# Altium PCB 智能马桶综合检测台_数据板V1.0.PcbDoc (part 5 of 8) (continued)
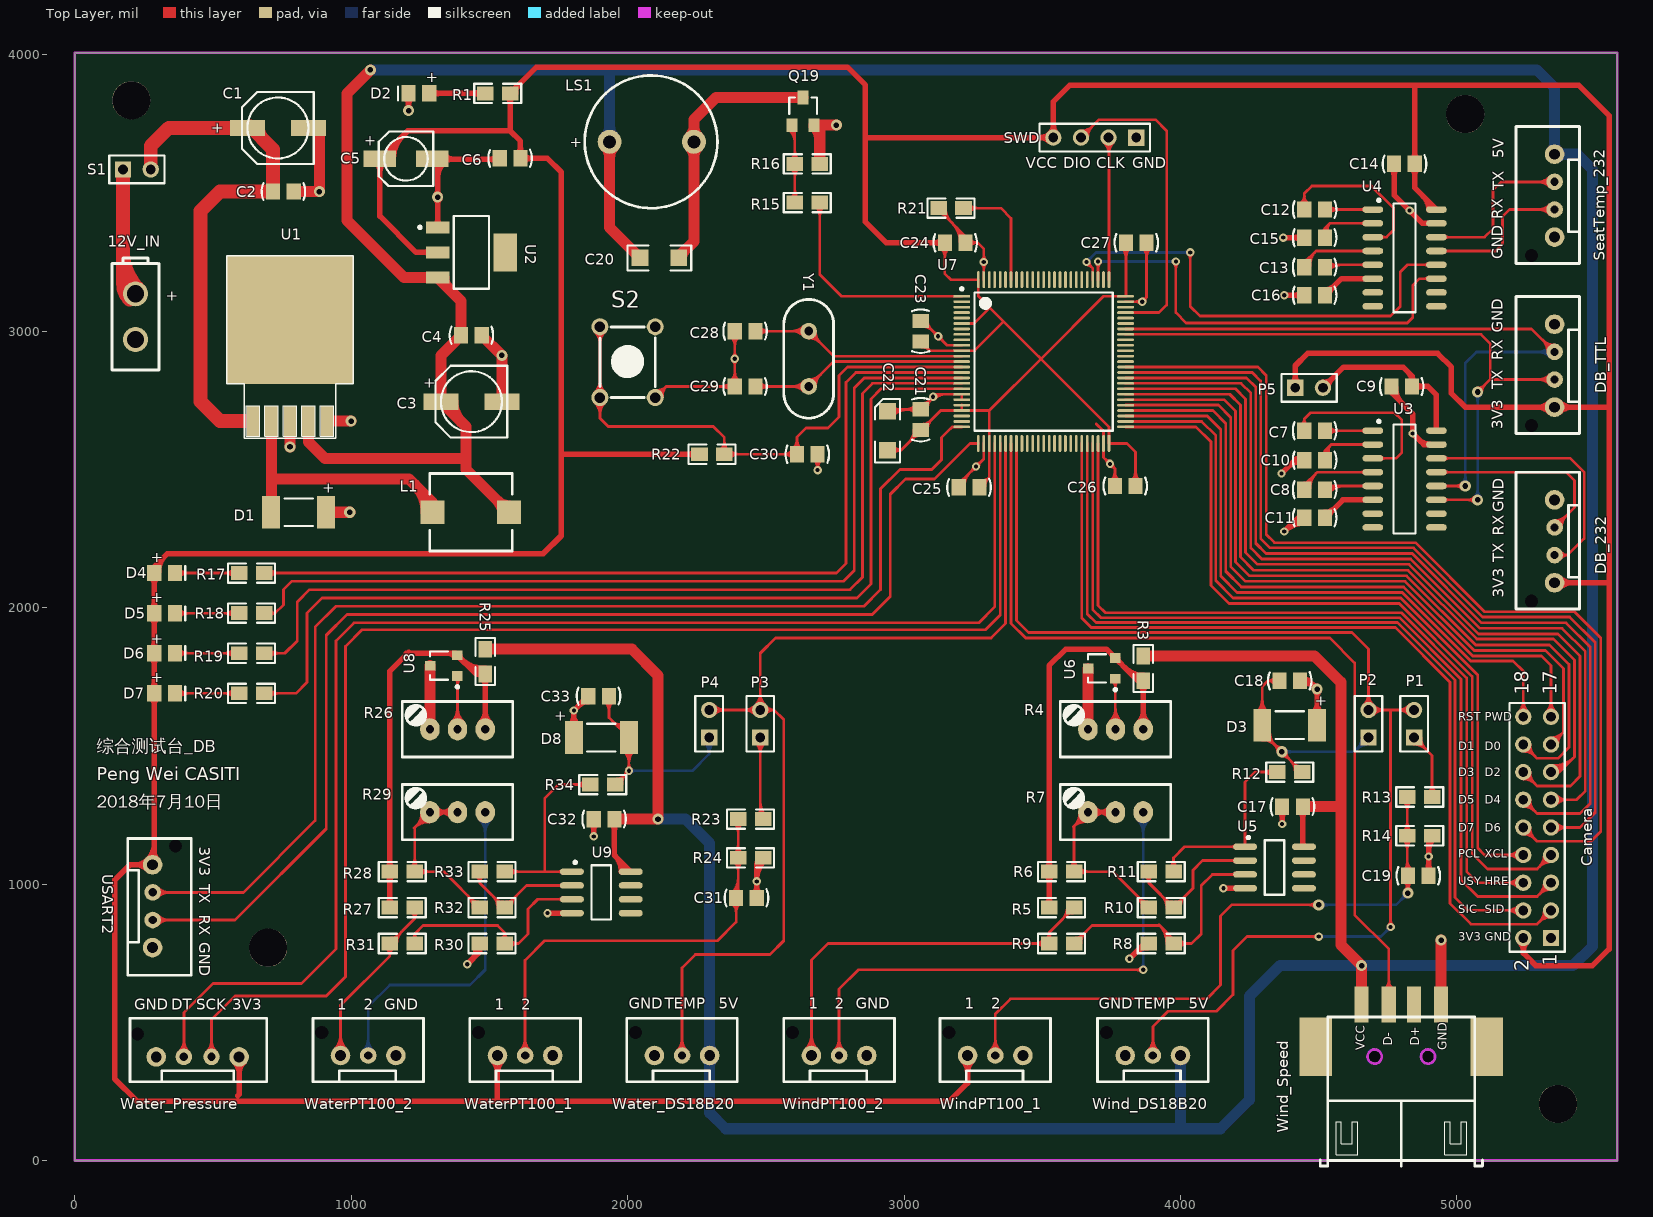
[diagram p0: Top Layer view]
## Nets (pads, with @x,y where several pads share a name; then routed paths per layer and width w, separated by ;. In a path a pad name is that pad's centre, name@x,y a point inside that pad or via, vN(x,y) a via of type N, cw(c..) or ccw(c..) an arc to the next point about the centre after c; other vN are vias at no path point) (continued)
NetR7_1: R7.1 WindPT100_2.2 | length 3965.9
  Top Layer w10: WindPT100_2.2@2765,380 2765,620 2835,690 v1(3865,690) ; WindPT100_2.2@2747.32,397.68 ccw(c2704.64,440.36) 2765,440.36 ; WindPT100_2.2@2747.32,397.68 ccw(c2704.64,440.36) 2765,440.36 ; WindPT100_2.2@2747.32,397.68 ccw(c2704.64,440.36) 2765,440.36 ; WindPT100_2.2@2747.32,397.68 ccw(c2704.64,440.36) 2765,440.36 ; WindPT100_2.2@2747.32,397.68 ccw(c2704.64,440.36) 2765,440.36 ; WindPT100_2.2@2747.32,397.68 ccw(c2704.64,440.36) 2765,440.36 ; WindPT100_2.2@2754.39,390.61 ccw(c2728.79,416.21) 2765,416.21 ; WindPT100_2.2@2754.39,390.61 ccw(c2728.79,416.21) 2765,416.21 ; WindPT100_2.2@2754.39,390.61 ccw(c2728.79,416.21) 2765,416.21 ; WindPT100_2.2@2754.39,390.61 ccw(c2728.79,416.21) 2765,416.21 ; WindPT100_2.2@2754.39,390.61 ccw(c2728.79,416.21) 2765,416.21 ; WindPT100_2.2@2754.39,390.61 ccw(c2728.79,416.21) 2765,416.21 ; 2765,416.21 ccw(c2801.21,416.21) WindPT100_2.2@2775.61,390.61 ; 2765,416.21 ccw(c2801.21,416.21) WindPT100_2.2@2775.61,390.61 ; 2765,416.21 ccw(c2801.21,416.21) WindPT100_2.2@2775.61,390.61 ; 2765,416.21 ccw(c2801.21,416.21) WindPT100_2.2@2775.61,390.61 ; 2765,416.21 ccw(c2801.21,416.21) WindPT100_2.2@2775.61,390.61 ; 2765,416.21 ccw(c2801.21,416.21) WindPT100_2.2@2775.61,390.61 ; 2765,440.36 ccw(c2825.36,440.36) WindPT100_2.2@2782.68,397.68 ; 2765,440.36 ccw(c2825.36,440.36) WindPT100_2.2@2782.68,397.68 ; 2765,440.36 ccw(c2825.36,440.36) WindPT100_2.2@2782.68,397.68 ; 2765,440.36 ccw(c2825.36,440.36) WindPT100_2.2@2782.68,397.68 ; 2765,440.36 ccw(c2825.36,440.36) WindPT100_2.2@2782.68,397.68 ; 2765,440.36 ccw(c2825.36,440.36) WindPT100_2.2@2782.68,397.68 ; 3840.86,690 cw(c3840.86,665.86) v1@3857.93,682.93 ; 3840.86,690 ccw(c3840.86,714.14) v1@3857.93,697.07 ; 3840.86,690 ccw(c3840.86,714.14) v1@3857.93,697.07 ; 3840.86,690 cw(c3840.86,665.86) v1@3857.93,682.93 ; 3840.86,690 ccw(c3840.86,714.14) v1@3857.93,697.07 ; 3840.86,690 cw(c3840.86,665.86) v1@3857.93,682.93 ; 3840.86,690 ccw(c3840.86,714.14) v1@3857.93,697.07 ; 3840.86,690 cw(c3840.86,665.86) v1@3857.93,682.93 ; 3840.86,690 ccw(c3840.86,714.14) v1@3857.93,697.07 ; 3840.86,690 cw(c3840.86,665.86) v1@3857.93,682.93 ; 3840.86,690 ccw(c3840.86,714.14) v1@3857.93,697.07 ; 3840.86,690 cw(c3840.86,665.86) v1@3857.93,682.93
  Bottom Layer w10: v1(3865,690) R7.1@3865,1260 ; R7.1@3851.83,1246.83 cw(c3820.04,1215.04) 3865,1215.04 ; R7.1@3851.83,1246.83 cw(c3820.04,1215.04) 3865,1215.04 ; R7.1@3851.83,1246.83 cw(c3820.04,1215.04) 3865,1215.04 ; R7.1@3851.83,1246.83 cw(c3820.04,1215.04) 3865,1215.04 ; v1@3857.93,697.07 ccw(c3840.86,714.14) 3865,714.14 ; v1@3857.93,697.07 ccw(c3840.86,714.14) 3865,714.14 ; v1@3857.93,697.07 ccw(c3840.86,714.14) 3865,714.14 ; v1@3857.93,697.07 ccw(c3840.86,714.14) 3865,714.14 ; v1@3857.93,697.07 ccw(c3840.86,714.14) 3865,714.14 ; v1@3857.93,697.07 ccw(c3840.86,714.14) 3865,714.14 ; 3865,714.14 ccw(c3889.14,714.14) v1@3872.07,697.07 ; 3865,714.14 ccw(c3889.14,714.14) v1@3872.07,697.07 ; 3865,714.14 ccw(c3889.14,714.14) v1@3872.07,697.07 ; 3865,714.14 ccw(c3889.14,714.14) v1@3872.07,697.07 ; 3865,714.14 ccw(c3889.14,714.14) v1@3872.07,697.07 ; 3865,714.14 ccw(c3889.14,714.14) v1@3872.07,697.07 ; 3865,1182.57 cw(c3937.43,1182.57) 3886.21,1233.79 ccw(c3937.43,1182.57) 3865,1182.57 ; 3865,1182.57 ccw(c3792.57,1182.57) 3843.79,1233.79 cw(c3792.57,1182.57) 3865,1182.57 ; 3865,1206.72 cw(c3913.28,1206.72) 3879.14,1240.86 ccw(c3913.28,1206.72) 3865,1206.72 ; 3865,1206.72 ccw(c3816.72,1206.72) 3850.86,1240.86 cw(c3816.72,1206.72) 3865,1206.72 ; 3865,1215.04 cw(c3909.96,1215.04) R7.1@3878.17,1246.83 ; 3865,1215.04 cw(c3909.96,1215.04) R7.1@3878.17,1246.83 ; 3865,1215.04 cw(c3909.96,1215.04) R7.1@3878.17,1246.83 ; 3865,1215.04 cw(c3909.96,1215.04) R7.1@3878.17,1246.83
NetR8_1: R8.1 R9.1 U5.3 | length 3158.4
  Top Layer w10: R9.1@3615,785 3680,850 3925,850 3975,800 R8.1@3975,785 4040,785 4075,820 4075,995 4115,1035 U5.3@4245,1035 ; R9.1@3620,805 ccw(c3620,841.21) 3645.61,815.61 ; R9.1@3620,805 ccw(c3620,841.21) 3645.61,815.61 ; R9.1@3620,805 ccw(c3620,841.21) 3645.61,815.61 ; R9.1@3620,805 ccw(c3620,841.21) 3645.61,815.61 ; R9.1@3620,805 ccw(c3620,841.21) 3645.61,815.61 ; R9.1@3620,805 ccw(c3620,841.21) 3645.61,815.61 ; R9.1@3630,785 cw(c3666.21,785) 3640.61,810.61 ; R9.1@3630,785 cw(c3666.21,785) 3640.61,810.61 ; R9.1@3630,785 cw(c3666.21,785) 3640.61,810.61 ; R9.1@3630,785 cw(c3666.21,785) 3640.61,810.61 ; R9.1@3630,785 cw(c3666.21,785) 3640.61,810.61 ; R9.1@3630,785 cw(c3666.21,785) 3640.61,810.61 ; R9.1@3640,785 cw(c3700.36,785) 3657.68,827.68 ; R9.1@3640,785 cw(c3700.36,785) 3657.68,827.68 ; R9.1@3640,785 cw(c3700.36,785) 3657.68,827.68 ; R9.1@3640,785 cw(c3700.36,785) 3657.68,827.68 ; R9.1@3640,785 cw(c3700.36,785) 3657.68,827.68 ; R9.1@3640,785 cw(c3700.36,785) 3657.68,827.68 ; 3921.72,853.28 cw(c3853.43,785) R8.1@3950,785 ; 3921.72,853.28 cw(c3853.43,785) R8.1@3950,785 ; 3921.72,853.28 cw(c3853.43,785) R8.1@3950,785 ; 3921.72,853.28 cw(c3853.43,785) R8.1@3950,785 ; 3921.72,853.28 cw(c3853.43,785) R8.1@3950,785 ; 3921.72,853.28 cw(c3853.43,785) R8.1@3950,785 ; 3938.79,836.21 cw(c3887.57,785) R8.1@3960,785 ; 3938.79,836.21 cw(c3887.57,785) R8.1@3960,785 ; 3938.79,836.21 cw(c3887.57,785) R8.1@3960,785 ; 3938.79,836.21 cw(c3887.57,785) R8.1@3960,785 ; 3938.79,836.21 cw(c3887.57,785) R8.1@3960,785 ; 3938.79,836.21 cw(c3887.57,785) R8.1@3960,785 ; 3955.86,819.14 cw(c3921.72,785) R8.1@3970,785 ; 3955.86,819.14 cw(c3921.72,785) R8.1@3970,785 ; 3955.86,819.14 cw(c3921.72,785) R8.1@3970,785 ; 3955.86,819.14 cw(c3921.72,785) R8.1@3970,785 ; 3955.86,819.14 cw(c3921.72,785) R8.1@3970,785 ; 3955.86,819.14 cw(c3921.72,785) R8.1@3970,785 ; R8.1@3994.14,770.86 cw(c4028.28,736.72) 4028.28,785 ; R8.1@3994.14,770.86 cw(c4028.28,736.72) 4028.28,785 ; R8.1@3994.14,770.86 cw(c4028.28,736.72) 4028.28,785 ; R8.1@3994.14,770.86 cw(c4028.28,736.72) 4028.28,785 ; R8.1@3994.14,770.86 cw(c4028.28,736.72) 4028.28,785 ; R8.1@3994.14,770.86 cw(c4028.28,736.72) 4028.28,785 ; R8.1@3994.14,799.14 ccw(c4028.28,833.28) 4028.28,785 ; R8.1@3994.14,799.14 ccw(c4028.28,833.28) 4028.28,785 ; R8.1@3994.14,799.14 ccw(c4028.28,833.28) 4028.28,785 ; R8.1@3994.14,799.14 ccw(c4028.28,833.28) 4028.28,785 ; R8.1@3994.14,799.14 ccw(c4028.28,833.28) 4028.28,785 ; R8.1@3994.14,799.14 ccw(c4028.28,833.28) 4028.28,785 ; 4185.76,1035 cw(c4185.76,1018.56) U5.3@4197.39,1030.18 ; 4185.76,1035 ccw(c4185.76,1051.44) U5.3@4197.39,1039.82 ; 4185.76,1035 ccw(c4185.76,1051.44) U5.3@4197.39,1039.82 ; 4185.76,1035 cw(c4185.76,1018.56) U5.3@4197.39,1030.18 ; 4185.76,1035 ccw(c4185.76,1051.44) U5.3@4197.39,1039.82 ; 4185.76,1035 cw(c4185.76,1018.56) U5.3@4197.39,1030.18 ; 4185.76,1035 ccw(c4185.76,1051.44) U5.3@4197.39,1039.82 ; 4185.76,1035 cw(c4185.76,1018.56) U5.3@4197.39,1030.18 ; 4185.76,1035 ccw(c4185.76,1051.44) U5.3@4197.39,1039.82 ; 4185.76,1035 cw(c4185.76,1018.56) U5.3@4197.39,1030.18 ; 4185.76,1035 ccw(c4185.76,1051.44) U5.3@4197.39,1039.82 ; 4185.76,1035 cw(c4185.76,1018.56) U5.3@4197.39,1030.18
NetR10_1: R10.1 R11.2 U5.2 | length 2274.7
  Top Layer w10: R11.2@3885,1045 3885,1005 ; U5.2@4233.7,1085 4080,1085 4045,1050 4045,985 R10.1@3975,915 3885,1005 ; R11.2@3873,1029 cw(c3855,1005) 3885,1005 ; R11.2@3873,1029 cw(c3855,1005) 3885,1005 ; R11.2@3873,1029 cw(c3855,1005) 3885,1005 ; R11.2@3873,1029 cw(c3855,1005) 3885,1005 ; R11.2@3873,1029 cw(c3855,1005) 3885,1005 ; R11.2@3873,1029 cw(c3855,1005) 3885,1005 ; 3885,1005 cw(c3915,1005) R11.2@3897,1029 ; 3885,1005 cw(c3915,1005) R11.2@3897,1029 ; 3885,1005 cw(c3915,1005) R11.2@3897,1029 ; 3885,1005 cw(c3915,1005) R11.2@3897,1029 ; 3885,1005 cw(c3915,1005) R11.2@3897,1029 ; 3885,1005 cw(c3915,1005) R11.2@3897,1029 ; 3932.32,957.68 cw(c3889.64,915) R10.1@3950,915 ; 3932.32,957.68 cw(c3889.64,915) R10.1@3950,915 ; 3932.32,957.68 cw(c3889.64,915) R10.1@3950,915 ; 3932.32,957.68 cw(c3889.64,915) R10.1@3950,915 ; 3932.32,957.68 cw(c3889.64,915) R10.1@3950,915 ; 3932.32,957.68 cw(c3889.64,915) R10.1@3950,915 ; 3944.39,945.61 ccw(c3970,971.21) R10.1@3970,935 ; 3944.39,945.61 ccw(c3970,971.21) R10.1@3970,935 ; 3944.39,945.61 ccw(c3970,971.21) R10.1@3970,935 ; 3944.39,945.61 ccw(c3970,971.21) R10.1@3970,935 ; 3944.39,945.61 ccw(c3970,971.21) R10.1@3970,935 ; 3944.39,945.61 ccw(c3970,971.21) R10.1@3970,935 ; 3949.39,940.61 cw(c3923.79,915) R10.1@3960,915 ; 3949.39,940.61 cw(c3923.79,915) R10.1@3960,915 ; 3949.39,940.61 cw(c3923.79,915) R10.1@3960,915 ; 3949.39,940.61 cw(c3923.79,915) R10.1@3960,915 ; 3949.39,940.61 cw(c3923.79,915) R10.1@3960,915 ; 3949.39,940.61 cw(c3923.79,915) R10.1@3960,915 ; R10.1@3980,935 ccw(c3980,971.21) 4005.61,945.61 ; R10.1@3980,935 ccw(c3980,971.21) 4005.61,945.61 ; R10.1@3980,935 ccw(c3980,971.21) 4005.61,945.61 ; R10.1@3980,935 ccw(c3980,971.21) 4005.61,945.61 ; R10.1@3980,935 ccw(c3980,971.21) 4005.61,945.61 ; R10.1@3980,935 ccw(c3980,971.21) 4005.61,945.61 ; R10.1@3990,915 cw(c4026.21,915) 4000.61,940.61 ; R10.1@3990,915 cw(c4026.21,915) 4000.61,940.61 ; R10.1@3990,915 cw(c4026.21,915) 4000.61,940.61 ; R10.1@3990,915 cw(c4026.21,915) 4000.61,940.61 ; R10.1@3990,915 cw(c4026.21,915) 4000.61,940.61 ; R10.1@3990,915 cw(c4026.21,915) 4000.61,940.61 ; R10.1@4000,915 cw(c4060.36,915) 4017.68,957.68 ; R10.1@4000,915 cw(c4060.36,915) 4017.68,957.68 ; R10.1@4000,915 cw(c4060.36,915) 4017.68,957.68 ; R10.1@4000,915 cw(c4060.36,915) 4017.68,957.68 ; R10.1@4000,915 cw(c4060.36,915) 4017.68,957.68 ; R10.1@4000,915 cw(c4060.36,915) 4017.68,957.68 ; 4185.76,1085 cw(c4185.76,1068.56) U5.2@4197.39,1080.18 ; 4185.76,1085 ccw(c4185.76,1101.44) U5.2@4197.39,1089.82 ; 4185.76,1085 ccw(c4185.76,1101.44) U5.2@4197.39,1089.82 ; 4185.76,1085 cw(c4185.76,1068.56) U5.2@4197.39,1080.18 ; 4185.76,1085 ccw(c4185.76,1101.44) U5.2@4197.39,1089.82 ; 4185.76,1085 cw(c4185.76,1068.56) U5.2@4197.39,1080.18 ; 4185.76,1085 ccw(c4185.76,1101.44) U5.2@4197.39,1089.82 ; 4185.76,1085 cw(c4185.76,1068.56) U5.2@4197.39,1080.18 ; 4185.76,1085 ccw(c4185.76,1101.44) U5.2@4197.39,1089.82 ; 4185.76,1085 cw(c4185.76,1068.56) U5.2@4197.39,1080.18 ; 4185.76,1085 ccw(c4185.76,1101.44) U5.2@4197.39,1089.82 ; 4185.76,1085 cw(c4185.76,1068.56) U5.2@4197.39,1080.18
NetR11_1: R11.1 R12.2 U5.1 | length 1910.4
  Top Layer w10: R11.1@3975,1045 3975,1095 4015,1135 U5.1@4233.7,1135 4233.7,1368.7 4270,1405 R12.2@4350,1405 ; R11.1@3960.86,1059.14 ccw(c3926.72,1093.28) 3975,1093.28 ; R11.1@3960.86,1059.14 ccw(c3926.72,1093.28) 3975,1093.28 ; R11.1@3960.86,1059.14 ccw(c3926.72,1093.28) 3975,1093.28 ; R11.1@3960.86,1059.14 ccw(c3926.72,1093.28) 3975,1093.28 ; R11.1@3960.86,1059.14 ccw(c3926.72,1093.28) 3975,1093.28 ; R11.1@3960.86,1059.14 ccw(c3926.72,1093.28) 3975,1093.28 ; 3975,1093.28 ccw(c4023.28,1093.28) R11.1@3989.14,1059.14 ; 3975,1093.28 ccw(c4023.28,1093.28) R11.1@3989.14,1059.14 ; 3975,1093.28 ccw(c4023.28,1093.28) R11.1@3989.14,1059.14 ; 3975,1093.28 ccw(c4023.28,1093.28) R11.1@3989.14,1059.14 ; 3975,1093.28 ccw(c4023.28,1093.28) R11.1@3989.14,1059.14 ; 3975,1093.28 ccw(c4023.28,1093.28) R11.1@3989.14,1059.14 ; 4185.76,1135 cw(c4185.76,1118.56) U5.1@4197.39,1130.18 ; 4185.76,1135 ccw(c4185.76,1151.44) U5.1@4197.39,1139.82 ; 4185.76,1135 ccw(c4185.76,1151.44) U5.1@4197.39,1139.82 ; 4185.76,1135 cw(c4185.76,1118.56) U5.1@4197.39,1130.18 ; 4185.76,1135 ccw(c4185.76,1151.44) U5.1@4197.39,1139.82 ; 4185.76,1135 cw(c4185.76,1118.56) U5.1@4197.39,1130.18 ; 4185.76,1135 ccw(c4185.76,1151.44) U5.1@4197.39,1139.82 ; 4185.76,1135 cw(c4185.76,1118.56) U5.1@4197.39,1130.18 ; 4185.76,1135 ccw(c4185.76,1151.44) U5.1@4197.39,1139.82 ; 4185.76,1135 cw(c4185.76,1118.56) U5.1@4197.39,1130.18 ; 4185.76,1135 ccw(c4185.76,1151.44) U5.1@4197.39,1139.82 ; 4185.76,1135 cw(c4185.76,1118.56) U5.1@4197.39,1130.18 ; U5.1@4228.88,1139.82 ccw(c4217.26,1151.44) 4233.7,1151.44 ; U5.1@4228.88,1139.82 ccw(c4217.26,1151.44) 4233.7,1151.44 ; U5.1@4228.88,1139.82 ccw(c4217.26,1151.44) 4233.7,1151.44 ; U5.1@4228.88,1139.82 ccw(c4217.26,1151.44) 4233.7,1151.44 ; U5.1@4228.88,1139.82 ccw(c4217.26,1151.44) 4233.7,1151.44 ; U5.1@4228.88,1139.82 ccw(c4217.26,1151.44) 4233.7,1151.44 ; 4233.7,1151.44 ccw(c4250.14,1151.44) U5.1@4238.52,1139.82 ; 4233.7,1151.44 ccw(c4250.14,1151.44) U5.1@4238.52,1139.82 ; 4233.7,1151.44 ccw(c4250.14,1151.44) U5.1@4238.52,1139.82 ; 4233.7,1151.44 ccw(c4250.14,1151.44) U5.1@4238.52,1139.82 ; 4233.7,1151.44 ccw(c4250.14,1151.44) U5.1@4238.52,1139.82 ; 4233.7,1151.44 ccw(c4250.14,1151.44) U5.1@4238.52,1139.82 ; 4296.72,1405 cw(c4296.72,1356.72) R12.2@4330.86,1390.86 ; 4296.72,1405 ccw(c4296.72,1453.28) R12.2@4330.86,1419.14 ; 4296.72,1405 ccw(c4296.72,1453.28) R12.2@4330.86,1419.14 ; 4296.72,1405 cw(c4296.72,1356.72) R12.2@4330.86,1390.86 ; 4296.72,1405 ccw(c4296.72,1453.28) R12.2@4330.86,1419.14 ; 4296.72,1405 cw(c4296.72,1356.72) R12.2@4330.86,1390.86 ; 4296.72,1405 ccw(c4296.72,1453.28) R12.2@4330.86,1419.14 ; 4296.72,1405 cw(c4296.72,1356.72) R12.2@4330.86,1390.86 ; 4296.72,1405 ccw(c4296.72,1453.28) R12.2@4330.86,1419.14 ; 4296.72,1405 cw(c4296.72,1356.72) R12.2@4330.86,1390.86 ; 4296.72,1405 ccw(c4296.72,1453.28) R12.2@4330.86,1419.14 ; 4296.72,1405 cw(c4296.72,1356.72) R12.2@4330.86,1390.86
NetR21_1: R21.1 U7.94 | length 864.1
  Top Layer w10: R21.1@3215,3445 3350,3445 3386.89,3408.11 U7.94@3386.89,3186.26 ; R21.1@3234.14,3430.86 cw(c3268.28,3396.72) 3268.28,3445 ; R21.1@3234.14,3430.86 cw(c3268.28,3396.72) 3268.28,3445 ; R21.1@3234.14,3430.86 cw(c3268.28,3396.72) 3268.28,3445 ; R21.1@3234.14,3430.86 cw(c3268.28,3396.72) 3268.28,3445 ; R21.1@3234.14,3430.86 cw(c3268.28,3396.72) 3268.28,3445 ; R21.1@3234.14,3430.86 cw(c3268.28,3396.72) 3268.28,3445 ; R21.1@3234.14,3459.14 ccw(c3268.28,3493.28) 3268.28,3445 ; R21.1@3234.14,3459.14 ccw(c3268.28,3493.28) 3268.28,3445 ; R21.1@3234.14,3459.14 ccw(c3268.28,3493.28) 3268.28,3445 ; R21.1@3234.14,3459.14 ccw(c3268.28,3493.28) 3268.28,3445 ; R21.1@3234.14,3459.14 ccw(c3268.28,3493.28) 3268.28,3445 ; R21.1@3234.14,3459.14 ccw(c3268.28,3493.28) 3268.28,3445
NetR25_1: R25.1 R26.1 R27.2 R28.2 U8.2 | length 4248.3
  Top Layer w10: R27.2@1140,915 R28.2@1140,1045 ; R27.2@1125.86,929.14 ccw(c1091.72,963.28) 1140,963.28 ; R27.2@1125.86,929.14 ccw(c1091.72,963.28) 1140,963.28 ; R27.2@1125.86,929.14 ccw(c1091.72,963.28) 1140,963.28 ; R27.2@1125.86,929.14 ccw(c1091.72,963.28) 1140,963.28 ; R27.2@1125.86,929.14 ccw(c1091.72,963.28) 1140,963.28 ; R27.2@1125.86,929.14 ccw(c1091.72,963.28) 1140,963.28 ; R28.2@1125.86,1030.86 cw(c1091.72,996.72) 1140,996.72 ; R28.2@1125.86,1030.86 cw(c1091.72,996.72) 1140,996.72 ; R28.2@1125.86,1030.86 cw(c1091.72,996.72) 1140,996.72 ; R28.2@1125.86,1030.86 cw(c1091.72,996.72) 1140,996.72 ; R28.2@1125.86,1030.86 cw(c1091.72,996.72) 1140,996.72 ; R28.2@1125.86,1030.86 cw(c1091.72,996.72) 1140,996.72 ; 1140,963.28 ccw(c1188.28,963.28) R27.2@1154.14,929.14 ; 1140,963.28 ccw(c1188.28,963.28) R27.2@1154.14,929.14 ; 1140,963.28 ccw(c1188.28,963.28) R27.2@1154.14,929.14 ; 1140,963.28 ccw(c1188.28,963.28) R27.2@1154.14,929.14 ; 1140,963.28 ccw(c1188.28,963.28) R27.2@1154.14,929.14 ; 1140,963.28 ccw(c1188.28,963.28) R27.2@1154.14,929.14 ; 1140,996.72 cw(c1188.28,996.72) R28.2@1154.14,1030.86 ; 1140,996.72 cw(c1188.28,996.72) R28.2@1154.14,1030.86 ; 1140,996.72 cw(c1188.28,996.72) R28.2@1154.14,1030.86 ; 1140,996.72 cw(c1188.28,996.72) R28.2@1154.14,1030.86 ; 1140,996.72 cw(c1188.28,996.72) R28.2@1154.14,1030.86 ; 1140,996.72 cw(c1188.28,996.72) R28.2@1154.14,1030.86
  Top Layer w20: R27.2@1140,915 1140,1770 1209.21,1839.21 ; 1200,1835 1376.61,1835 1451.61,1760 ; 1346.25,1835 cw(c1346.25,1790.43) U8.2@1377.77,1821.95 ; U8.2@1392.91,1827.4 ccw(c1413.92,1827.4) U8.2@1399.07,1812.55 ; U8.2@1395.81,1815.8 ccw(c1482.31,1902.3) R25.1@1484.71,1780 ; 1429.03,1782.58 ccw(c1483.59,1837.14) R25.1@1485.1,1760 ; R25.1@1473.78,1750.04 ccw(c1451.62,1730.35) 1451.62,1760 ; R25.1@1473.78,1769.96 cw(c1451.62,1789.65) 1451.62,1760 ; R25.1@1474.39,1744.39 cw(c1448.79,1718.79) 1485,1718.79 cw(c1521.21,1718.79) R25.1@1495.61,1744.39 ; R26.1@1485,1560 R25.1@1485,1760 1451.61,1760 ; R27.2@1129.39,925.61 ccw(c1103.79,951.21) 1140,951.21 ; R27.2@1129.39,925.61 ccw(c1103.79,951.21) 1140,951.21 ; R27.2@1129.39,925.61 ccw(c1103.79,951.21) 1140,951.21 ; R27.2@1129.39,925.61 ccw(c1103.79,951.21) 1140,951.21 ; R27.2@1129.39,925.61 ccw(c1103.79,951.21) 1140,951.21 ; R27.2@1129.39,925.61 ccw(c1103.79,951.21) 1140,951.21 ; R28.2@1129.39,1034.39 cw(c1103.79,1008.79) 1140,1008.79 ; R28.2@1129.39,1034.39 cw(c1103.79,1008.79) 1140,1008.79 ; R28.2@1129.39,1034.39 cw(c1103.79,1008.79) 1140,1008.79 ; R28.2@1129.39,1034.39 cw(c1103.79,1008.79) 1140,1008.79 ; R28.2@1129.39,1034.39 cw(c1103.79,1008.79) 1140,1008.79 ; R28.2@1129.39,1034.39 cw(c1103.79,1008.79) 1140,1008.79 ; R28.2@1129.39,1055.61 ccw(c1103.79,1081.21) 1140,1081.21 ; R28.2@1129.39,1055.61 ccw(c1103.79,1081.21) 1140,1081.21 ; R28.2@1129.39,1055.61 ccw(c1103.79,1081.21) 1140,1081.21 ; R28.2@1129.39,1055.61 ccw(c1103.79,1081.21) 1140,1081.21 ; R28.2@1129.39,1055.61 ccw(c1103.79,1081.21) 1140,1081.21 ; R28.2@1129.39,1055.61 ccw(c1103.79,1081.21) 1140,1081.21 ; 1140,951.21 ccw(c1176.21,951.21) R27.2@1150.61,925.61 ; 1140,951.21 ccw(c1176.21,951.21) R27.2@1150.61,925.61 ; 1140,951.21 ccw(c1176.21,951.21) R27.2@1150.61,925.61 ; 1140,951.21 ccw(c1176.21,951.21) R27.2@1150.61,925.61 ; 1140,951.21 ccw(c1176.21,951.21) R27.2@1150.61,925.61 ; 1140,951.21 ccw(c1176.21,951.21) R27.2@1150.61,925.61 ; 1140,1008.79 cw(c1176.21,1008.79) R28.2@1150.61,1034.39 ; 1140,1008.79 cw(c1176.21,1008.79) R28.2@1150.61,1034.39 ; 1140,1008.79 cw(c1176.21,1008.79) R28.2@1150.61,1034.39 ; 1140,1008.79 cw(c1176.21,1008.79) R28.2@1150.61,1034.39 ; 1140,1008.79 cw(c1176.21,1008.79) R28.2@1150.61,1034.39 ; 1140,1008.79 cw(c1176.21,1008.79) R28.2@1150.61,1034.39 ; 1140,1081.21 ccw(c1176.21,1081.21) R28.2@1150.61,1055.61 ; 1140,1081.21 ccw(c1176.21,1081.21) R28.2@1150.61,1055.61 ; 1140,1081.21 ccw(c1176.21,1081.21) R28.2@1150.61,1055.61 ; 1140,1081.21 ccw(c1176.21,1081.21) R28.2@1150.61,1055.61 ; 1140,1081.21 ccw(c1176.21,1081.21) R28.2@1150.61,1055.61 ; 1140,1081.21 ccw(c1176.21,1081.21) R28.2@1150.61,1055.61 ; R26.1@1475.37,1569.63 ccw(c1452.11,1592.89) R26.1@1485,1592.89 ; R26.1@1475.37,1569.63 ccw(c1452.11,1592.89) R26.1@1485,1592.89 ; R26.1@1475.37,1569.63 ccw(c1452.11,1592.89) R26.1@1485,1592.89 ; R26.1@1475.37,1569.63 ccw(c1452.11,1592.89) R26.1@1485,1592.89 ; R26.1@1485,1592.89 ccw(c1517.89,1592.89) R26.1@1494.63,1569.63 ; R26.1@1485,1592.89 ccw(c1517.89,1592.89) R26.1@1494.63,1569.63 ; R26.1@1485,1592.89 ccw(c1517.89,1592.89) R26.1@1494.63,1569.63 ; R26.1@1485,1592.89 ccw(c1517.89,1592.89) R26.1@1494.63,1569.63 ; 1485,1625.36 cw(c1424.64,1625.36) 1467.32,1582.68 ccw(c1424.64,1625.36) 1485,1625.36 ; 1485,1625.36 ccw(c1545.36,1625.36) 1502.68,1582.68 cw(c1545.36,1625.36) 1485,1625.36
NetR26_W: R26.W U8.1 | length 430.8
  Top Layer w10: R26.W@1363.79,1586.21 ccw(c1312.57,1637.43) 1385,1637.43 ccw(c1457.43,1637.43) R26.W@1406.21,1586.21 ; R26.W@1370.86,1579.14 ccw(c1336.72,1613.28) 1385,1613.28 ccw(c1433.28,1613.28) R26.W@1399.14,1579.14 ; U8.1@1376.2,1743.61 cw(c1354.97,1722.37) 1385,1722.37 ; U8.1@1384.21,1752.6 1385,1751.81 R26.W@1385,1560 ; 1385,1721.42 cw(c1416.37,1721.42) U8.1@1394.19,1743.61
NetR27_1: R27.1 R31.2 WaterPT100_2.1 | length 3170.8
  Top Layer w10: WaterPT100_2.1@961.67,380 961.67,561.67 1140,740 ; R27.1@1230,915 1230,875 ; WaterPT100_2.1@940.15,401.52 ccw(c888.19,453.47) 961.67,453.47 ; WaterPT100_2.1@940.15,401.52 ccw(c888.19,453.47) 961.67,453.47 ; WaterPT100_2.1@940.15,401.52 ccw(c888.19,453.47) 961.67,453.47 ; WaterPT100_2.1@940.15,401.52 ccw(c888.19,453.47) 961.67,453.47 ; WaterPT100_2.1@940.15,401.52 ccw(c888.19,453.47) 961.67,453.47 ; WaterPT100_2.1@940.15,401.52 ccw(c888.19,453.47) 961.67,453.47 ; WaterPT100_2.1@947.22,394.45 ccw(c912.34,429.33) 961.67,429.33 ; WaterPT100_2.1@947.22,394.45 ccw(c912.34,429.33) 961.67,429.33 ; WaterPT100_2.1@947.22,394.45 ccw(c912.34,429.33) 961.67,429.33 ; WaterPT100_2.1@947.22,394.45 ccw(c912.34,429.33) 961.67,429.33 ; WaterPT100_2.1@947.22,394.45 ccw(c912.34,429.33) 961.67,429.33 ; WaterPT100_2.1@947.22,394.45 ccw(c912.34,429.33) 961.67,429.33 ; 961.67,429.33 ccw(c1011,429.33) WaterPT100_2.1@976.11,394.45 ; 961.67,429.33 ccw(c1011,429.33) WaterPT100_2.1@976.11,394.45 ; 961.67,429.33 ccw(c1011,429.33) WaterPT100_2.1@976.11,394.45 ; 961.67,429.33 ccw(c1011,429.33) WaterPT100_2.1@976.11,394.45 ; 961.67,429.33 ccw(c1011,429.33) WaterPT100_2.1@976.11,394.45 ; 961.67,429.33 ccw(c1011,429.33) WaterPT100_2.1@976.11,394.45 ; 961.67,453.47 ccw(c1035.14,453.47) WaterPT100_2.1@983.19,401.52 ; 961.67,453.47 ccw(c1035.14,453.47) WaterPT100_2.1@983.19,401.52 ; 961.67,453.47 ccw(c1035.14,453.47) WaterPT100_2.1@983.19,401.52 ; 961.67,453.47 ccw(c1035.14,453.47) WaterPT100_2.1@983.19,401.52 ; 961.67,453.47 ccw(c1035.14,453.47) WaterPT100_2.1@983.19,401.52 ; 961.67,453.47 ccw(c1035.14,453.47) WaterPT100_2.1@983.19,401.52 ; R31.2@1126.6,770.15 cw(c1099.38,740) 1140,740 ; R31.2@1126.6,770.15 cw(c1099.38,740) 1140,740 ; R31.2@1126.6,770.15 cw(c1099.38,740) 1140,740 ; R31.2@1126.6,770.15 cw(c1099.38,740) 1140,740 ; R31.2@1126.6,770.15 cw(c1099.38,740) 1140,740 ; R31.2@1126.6,770.15 cw(c1099.38,740) 1140,740 ; 1140,740 cw(c1180.62,740) R31.2@1153.4,770.15 ; 1140,740 cw(c1180.62,740) R31.2@1153.4,770.15 ; 1140,740 cw(c1180.62,740) R31.2@1153.4,770.15 ; 1140,740 cw(c1180.62,740) R31.2@1153.4,770.15 ; 1140,740 cw(c1180.62,740) R31.2@1153.4,770.15 ; 1140,740 cw(c1180.62,740) R31.2@1153.4,770.15 ; 1140,740 R31.2@1140,785 1230,875 ; R31.2@1145,805 ccw(c1145,841.21) 1170.61,815.61 ; R31.2@1145,805 ccw(c1145,841.21) 1170.61,815.61 ; R31.2@1145,805 ccw(c1145,841.21) 1170.61,815.61 ; R31.2@1145,805 ccw(c1145,841.21) 1170.61,815.61 ; R31.2@1145,805 ccw(c1145,841.21) 1170.61,815.61 ; R31.2@1145,805 ccw(c1145,841.21) 1170.61,815.61 ; R31.2@1155,785 cw(c1191.21,785) 1165.61,810.61 ; R31.2@1155,785 cw(c1191.21,785) 1165.61,810.61 ; R31.2@1155,785 cw(c1191.21,785) 1165.61,810.61 ; R31.2@1155,785 cw(c1191.21,785) 1165.61,810.61 ; R31.2@1155,785 cw(c1191.21,785) 1165.61,810.61 ; R31.2@1155,785 cw(c1191.21,785) 1165.61,810.61 ; R31.2@1165,785 cw(c1225.36,785) 1182.68,827.68 ; R31.2@1165,785 cw(c1225.36,785) 1182.68,827.68 ; R31.2@1165,785 cw(c1225.36,785) 1182.68,827.68 ; R31.2@1165,785 cw(c1225.36,785) 1182.68,827.68 ; R31.2@1165,785 cw(c1225.36,785) 1182.68,827.68 ; R31.2@1165,785 cw(c1225.36,785) 1182.68,827.68 ; R27.1@1218,899 cw(c1200,875) 1230,875 ; R27.1@1218,899 cw(c1200,875) 1230,875 ; R27.1@1218,899 cw(c1200,875) 1230,875 ; R27.1@1218,899 cw(c1200,875) 1230,875 ; R27.1@1218,899 cw(c1200,875) 1230,875 ; R27.1@1218,899 cw(c1200,875) 1230,875 ; 1230,875 cw(c1260,875) R27.1@1242,899 ; 1230,875 cw(c1260,875) R27.1@1242,899 ; 1230,875 cw(c1260,875) R27.1@1242,899 ; 1230,875 cw(c1260,875) R27.1@1242,899 ; 1230,875 cw(c1260,875) R27.1@1242,899 ; 1230,875 cw(c1260,875) R27.1@1242,899